# Altium PCB HORNET-1-IPG.PcbDoc (part 3 of 8) (continued)
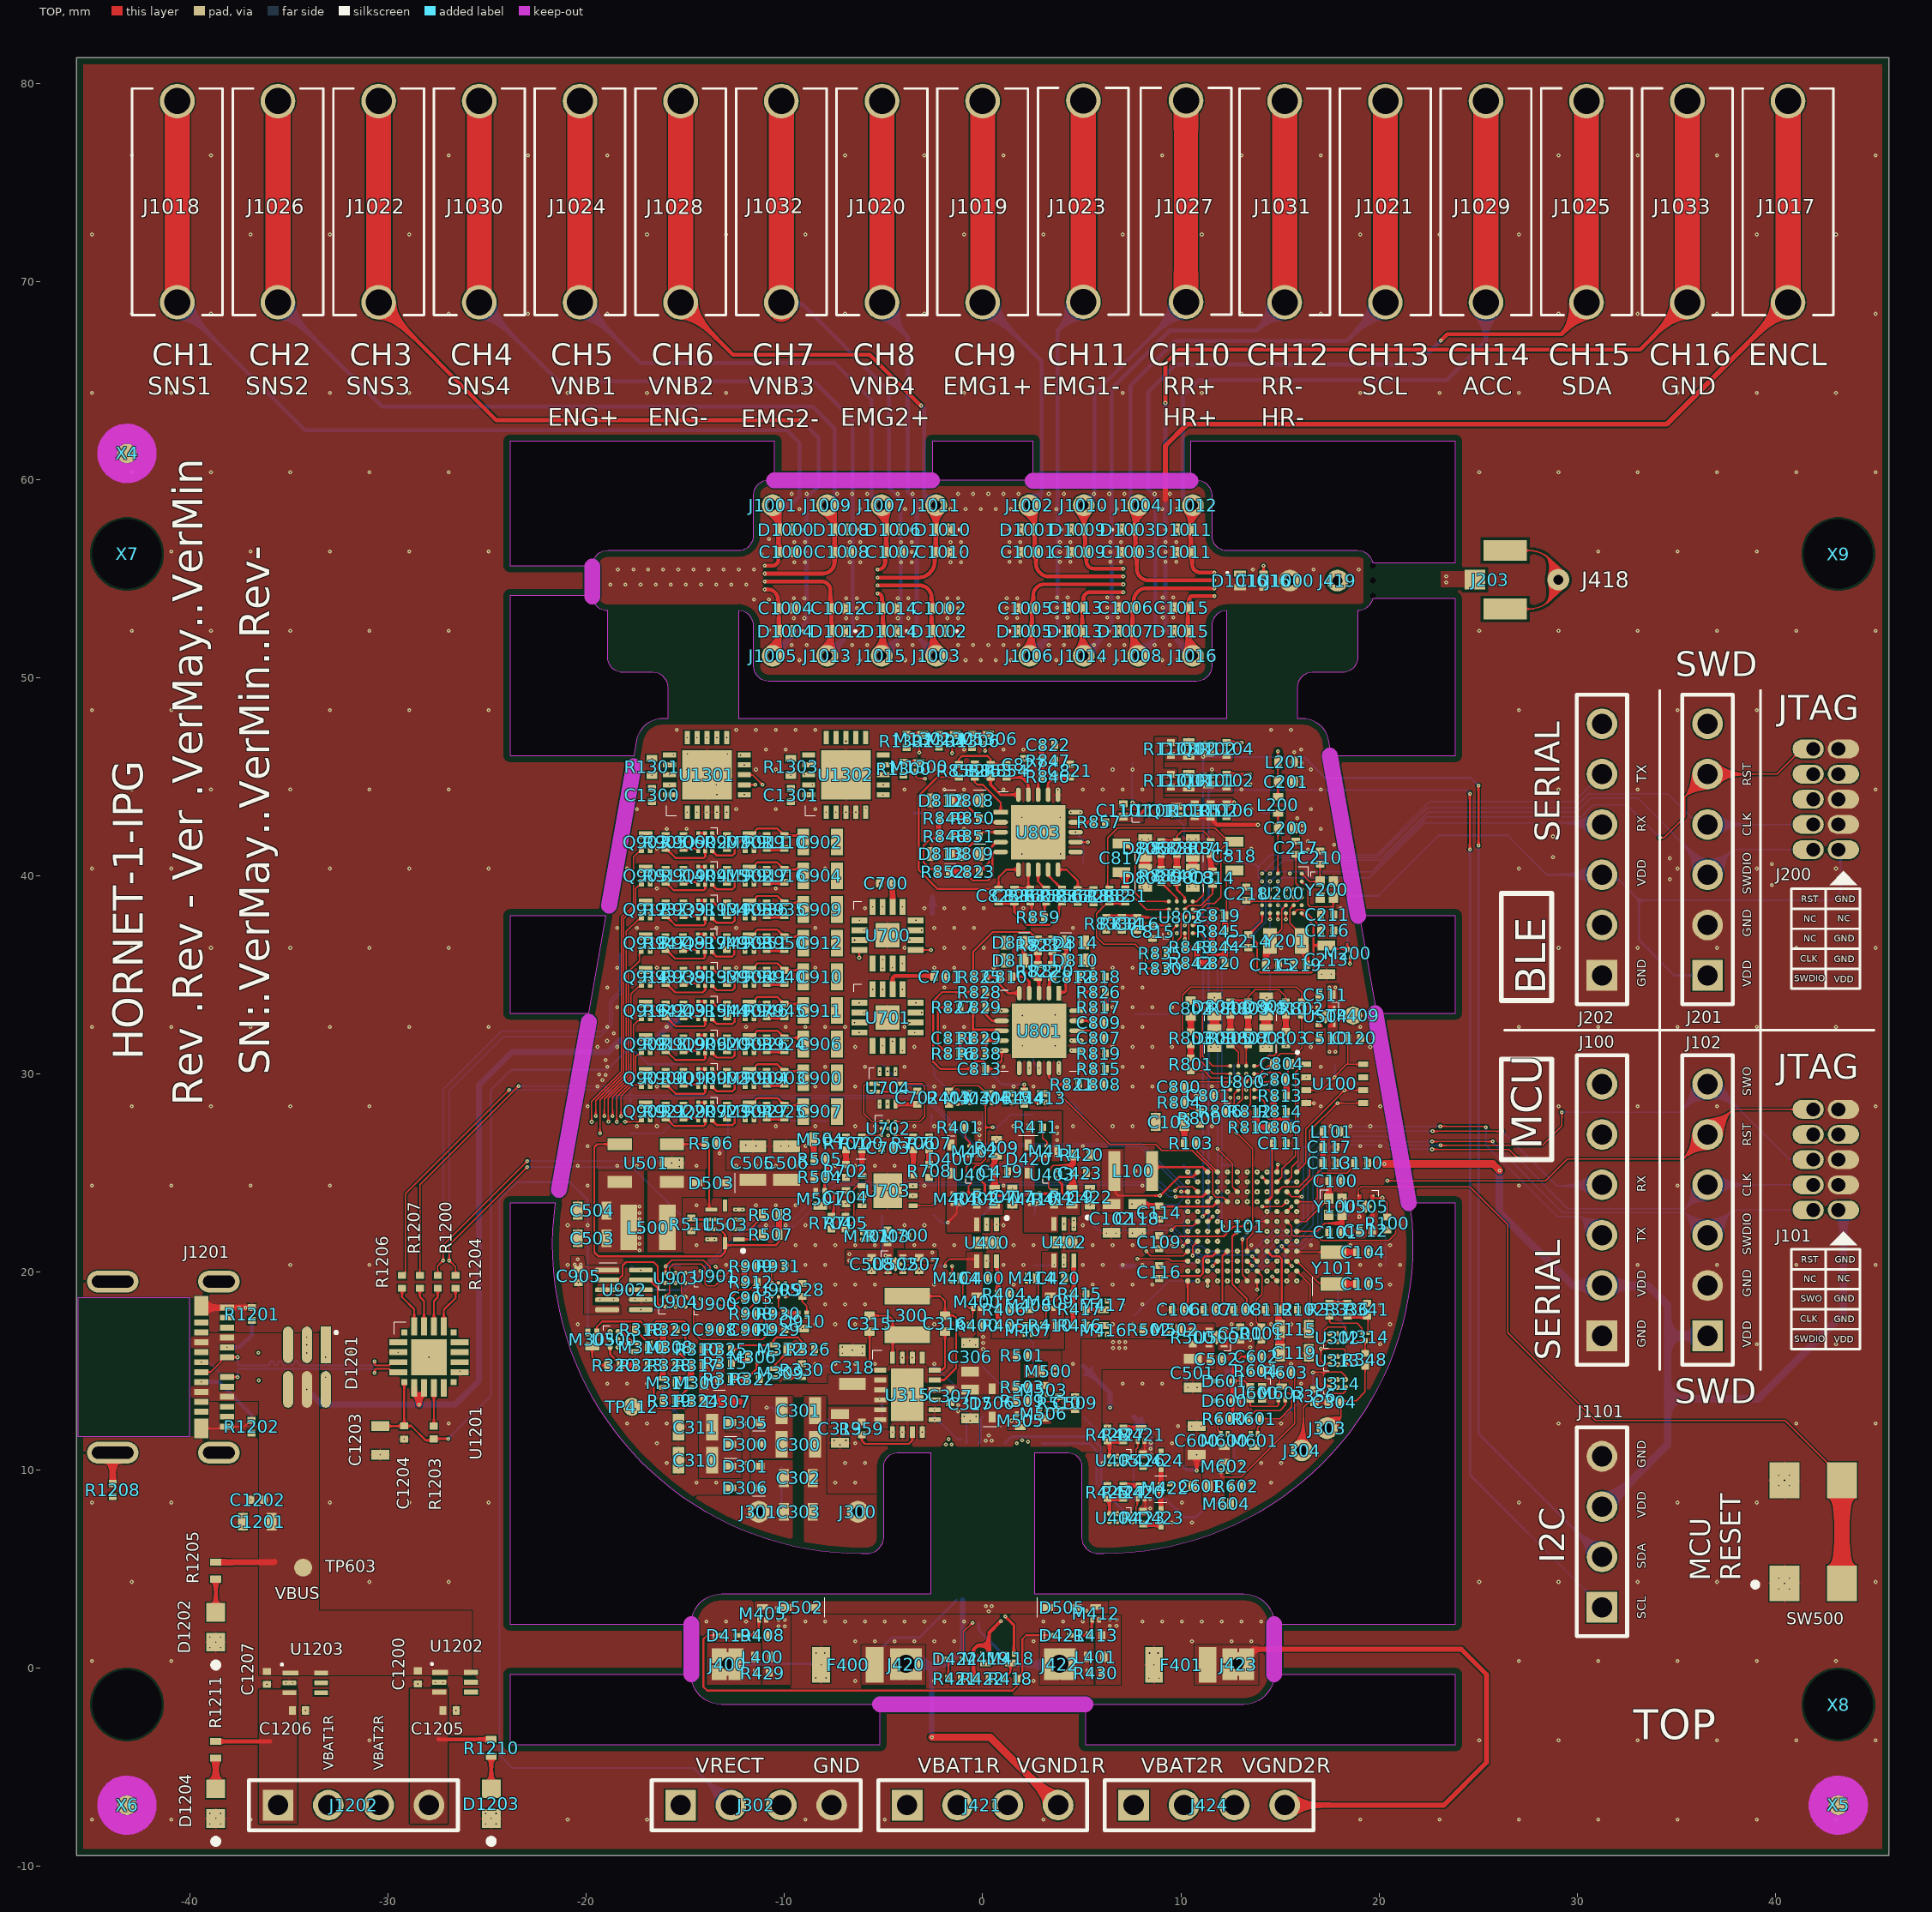
[diagram p0: TOP view]
## Part data (continued)
R816 R858: "Fixed Resistor, Metal Glaze/thick Film, 0.05W, 200000ohm, 30V, 1% +/-Tol, 200ppm/Cel, Surface Mount, 0201", Case/Package=0201, Manufacturer=Vishay, Max Operating Temperature=155°C, Medical Grade MFR=TBD, Min Operating Temperature=-55°C, Package Height=0.23mm, Package Length=0.6mm, Package Shape=Rectangular, Package Style=SMTMeter, Package Width=0.3mm, Power=50mW, Rated Temperature=70°C, Resistor Type="FIXED RESISTOR", Supplier Part Number=541-2945-1-ND, Temperature Coefficient=200ppm/°C, Tolerance=1%, Working Voltage=30V, Category="Chip SMD Resistors", ComponentLink1Description=https://datasheet.ciiva.com:443/pdfs/VipMasterIC/IC/VISH/VISH-S-A0002932828/VISH-S-A0002932828-1.pdf?src-supplier=IHS+Markit, ComponentLink1URL=https://datasheet.ciiva.com:443/pdfs/VipMasterIC/IC/VISH/VISH-S-A0002932828/VISH-S-A0002932828-1.pdf?src-supplier=IHS+Markit, ComponentLink2Description=https://datasheet.ciiva.com/7714/1719906-7714137.pdf?src-supplier=Element14, ComponentLink2URL=https://datasheet.ciiva.com/7714/1719906-7714137.pdf?src-supplier=Element14, ComponentLink3Description=https://datasheet.ciiva.com/7714/1719906-7714138.pdf?src-supplier=Element14, ComponentLink3URL=https://datasheet.ciiva.com/7714/1719906-7714138.pdf?src-supplier=Element14, ComponentLink4Description=https://datasheet.ciiva.com/2577/crcw0201e3-2577332.pdf?src-supplier=Digikey, ComponentLink4URL=https://datasheet.ciiva.com/2577/crcw0201e3-2577332.pdf?src-supplier=Digikey, ComponentLink5Description=https://datasheet.ciiva.com/8961/crcw0201e3-8961381.pdf?src-supplier=Avnet, ComponentLink5URL=https://datasheet.ciiva.com/8961/crcw0201e3-8961381.pdf?src-supplier=Avnet, ComponentLink6Description=https://datasheet.ciiva.com/22675/1700795-22675066.pdf?src-supplier=Element14, ComponentLink6URL=https://datasheet.ciiva.com/22675/1700795-22675066.pdf?src-supplier=Element14, ComponentLink7Description=https://datasheet.ciiva.com/22692/1719906-22692766.pdf?src-supplier=Element14, ComponentLink7URL=https://datasheet.ciiva.com/22692/1719906-22692766.pdf?src-supplier=Element14, Construction=Chip, JESD-609 Code=e3, Manufacturer Part Number=CRCW0201200KFNED, Medical Grade MFR PN=TBD, Mounting Technology="Surface Mount", Packaging="Tape and Reel", Pins=2, Pricing="1=0,1, 10=0,037, 50=0,0242, 100=0,0204, 500=0,01426, 1000=0,01241, 5000=0,00924 (USD)", Reach SVHC Compliant=Yes, Reference Standard=AEC-Q200, RoHS=Yes, RoHS Compliant=Yes, Stock=43796, Supplier=Digikey, Supplier 1=Digikey, Supplier Part Number 1=541-2945-1-ND, Technology="METAL GLAZE/THICK FILM", Terminal Finish=Nickel, Termination=Wraparound
R817 R826 R853 R854: "3.32 MOhms ±1% 0.05W, 1/20W Chip Resistor 0201 (0603 Metric) Thick Film", Case/Package=0201, Manufacturer="Vishay Dale", Max Operating Temperature="155 °C", Min Operating Temperature="-55 °C", Package Shape=Rectangular, Power="50 mW", Rated Temperature="70 °C", Resistor Type="FIXED RESISTOR", Supplier Part Number=541-CRCW02013M32FNEDTR-ND, Supplier Part Number 1=541-CRCW02013M32FNEDCT-ND, Temperature Coefficient=±200ppm/°C, Tolerance=1%, Category="Chip SMD Resistors", JESD-609 Code=e3, Manufacturer Part Number=CRCW02013M32FNED, Mounting Technology="Surface Mount", Packaging="Tape and Reel", Pins=2, Reach SVHC Compliant=Yes, RoHS=Yes, RoHS Compliant=Yes, Stock=3790, Supplier=Digikey, Supplier 1=Digikey, Tehnology="Metal glaze on high quality ceramic", Terminal Finish=Nickel
R818 R855: "475 kOhms ±1% 0.05W, 1/20W Chip Resistor 0201 (0603 Metric) Thick Film", Case/Package=0201, Manufacturer="Vishay Dale", Max Operating Temperature="155 °C", Min Operating Temperature="-55 °C", Package Shape=Rectangular, Power="50 mW", Rated Temperature="70 °C", Resistor Type="FIXED RESISTOR", Supplier Part Number=541-CRCW0201475KFNEDTR-ND, Supplier Part Number 1=71-CRCW0201475KFNED, Temperature Coefficient=±200ppm/°C, Tolerance=1%, Category="Chip SMD Resistors", JESD-609 Code=e3, Manufacturer Part Number=CRCW0201475KFNED, Mounting Technology="Surface Mount", Packaging="Tape and Reel", Pins=2, Reach SVHC Compliant=Yes, RoHS=Yes, RoHS Compliant=Yes, Stock=3433, Supplier=Digikey, Supplier 1=Mouser, Tehnology="Metal glaze on high quality ceramic", Terminal Finish=Nickel
R827 R859: "1.2 MOhms ±1% 0.05W, 1/20W Chip Resistor 0201 (0603 Metric) Thick Film", Case/Package=0201, Manufacturer="Vishay Dale", Max Operating Temperature=155°C, Min Operating Temperature=-55°C, Package Shape=Rectangular, Power="50 mW", Rated Temperature="70 °C", Resistor Type="FIXED RESISTOR", Supplier Part Number=541-CRCW02011M20FNEDTR-ND, Supplier Part Number 1=71-CRCW02011M20FNED, Temperature Coefficient=±200ppm/°C, Tolerance=1%, Category="Chip SMD Resistors", JESD-609 Code=e3, Manufacturer Part Number=CRCW02011M20FNED, Mounting Technology="Surface Mount", Packaging="Tape and Reel", Pins=2, Reach SVHC Compliant=Yes, RoHS=Yes, RoHS Compliant=Yes, Stock=22k, Supplier=Digikey, Supplier 1=Mouser, Tehnology="Metal glaze on high quality ceramic"
R828 R860: "3.74 kOhms ±1% 0.05W, 1/20W Chip Resistor 0201 (0603 Metric) Thick Film", Case/Package=0201, Manufacturer="Vishay Dale", Max Operating Temperature=155°C, Min Operating Temperature=-55°C, Package Shape=Rectangular, Power="50 mW", Rated Temperature="70 °C", Resistor Type="FIXED RESISTOR", Supplier Part Number=541-CRCW02013K74FNEDTR-ND, Supplier Part Number 1=541-CRCW02013K74FNEDCT-ND, Temperature Coefficient=±200ppm/°C, Tolerance=1%, Category="Chip SMD Resistors", JESD-609 Code=e3, Manufacturer Part Number=CRCW02013K74FNED, Mounting Technology="Surface Mount", Packaging="Tape and Reel", Pins=2, Reach SVHC Compliant=Yes, RoHS=Yes, RoHS Compliant=Yes, Stock=49k, Supplier=Digikey, Supplier 1=Digikey
R830 R831: "Fixed Resistor, Metal Glaze/thick Film, 0.05W, 6800000ohm, 30V, 1% +/-Tol, 200ppm/Cel, Surface Mount, 0201", Case/Package=0201, Manufacturer="Vishay Draloric", Max Operating Temperature=155°C, Medical Grade MFR=TBD, Min Operating Temperature=-55°C, Package Shape=Rectangular, Power=50mW, Rated Temperature=70°C, Resistor Type="FIXED RESISTOR", Supplier Part Number=541-CRCW02016M80FNEDCT-ND, Temperature Coefficient=200ppm/°C, Tolerance=1%, Working Voltage=30V, Category="Chip SMD Resistors", ComponentLink1Description=https://datasheet.ciiva.com:443/pdfs/VipMasterIC/IC/VISH/VISH-S-A0002932828/VISH-S-A0002932828-1.pdf?src-supplier=IHS+Markit, ComponentLink1URL=https://datasheet.ciiva.com:443/pdfs/VipMasterIC/IC/VISH/VISH-S-A0002932828/VISH-S-A0002932828-1.pdf?src-supplier=IHS+Markit, ComponentLink2Description=https://datasheet.ciiva.com/22682/1700795-22682637.pdf?src-supplier=Element14, ComponentLink2URL=https://datasheet.ciiva.com/22682/1700795-22682637.pdf?src-supplier=Element14, JESD-609 Code=e3, Manufacturer Part Number=CRCW02016M80FNED, Medical Grade MFR PN=TBD, Mounting Technology="Surface Mount", Packaging="Tape and Reel", Pins=2, Pricing="1=0,1, 10=0,037, 50=0,0242, 100=0,0204, 500=0,01426, 1000=0,01241, 5000=0,00924 (USD)", Reach SVHC Compliant=Yes, RoHS=Yes, RoHS Compliant=Yes, Stock=8955, Supplier=Digikey, Supplier 1=Digikey, Supplier Part Number 1=541-CRCW02016M80FNEDCT-ND, Technology="METAL GLAZE/THICK FILM", Terminal Finish=Nickel, Termination=Wraparound
R842 R843: "Fixed Resistor, Metal Glaze/thick Film, 0.05W, 2700000ohm, 30V, 1% +/-Tol, 200ppm/Cel, Surface Mount, 0201", Case/Package=0201, Manufacturer="Vishay Draloric", Max Operating Temperature=155°C, Medical Grade MFR=TBD, Min Operating Temperature=-55°C, Package Shape=Rectangular, Power=50mW, Rated Temperature=70°C, Resistor Type="FIXED RESISTOR", Supplier Part Number=541-CRCW02012M70FNEDCT-ND, Temperature Coefficient=200ppm/°C, Tolerance=1%, Working Voltage=30V, Category="Chip SMD Resistors", ComponentLink1Description=https://datasheet.ciiva.com:443/pdfs/VipMasterIC/IC/VISH/VISH-S-A0002932828/VISH-S-A0002932828-1.pdf?src-supplier=IHS+Markit, ComponentLink1URL=https://datasheet.ciiva.com:443/pdfs/VipMasterIC/IC/VISH/VISH-S-A0002932828/VISH-S-A0002932828-1.pdf?src-supplier=IHS+Markit, ComponentLink2Description=https://datasheet.ciiva.com/7800/1719906-7800965.pdf?src-supplier=Element14, ComponentLink2URL=https://datasheet.ciiva.com/7800/1719906-7800965.pdf?src-supplier=Element14, ComponentLink3Description=https://datasheet.ciiva.com/7800/1719906-7800966.pdf?src-supplier=Element14, ComponentLink3URL=https://datasheet.ciiva.com/7800/1719906-7800966.pdf?src-supplier=Element14, ComponentLink4Description=https://datasheet.ciiva.com/22682/1700795-22682623.pdf?src-supplier=Element14, ComponentLink4URL=https://datasheet.ciiva.com/22682/1700795-22682623.pdf?src-supplier=Element14, JESD-609 Code=e3, Manufacturer Part Number=CRCW02012M70FNED, Medical Grade MFR PN=TBD, Mounting Technology="Surface Mount", Packaging="Tape and Reel", Pins=2, Pricing="1=0,1, 10=0,037, 50=0,0242, 100=0,0204, 500=0,01426, 1000=0,01241, 5000=0,00924 (USD)", Reach SVHC Compliant=Yes, RoHS=Yes, RoHS Compliant=Yes, Stock=48006, Supplier=Digikey, Supplier 1=Digikey, Supplier Part Number 1=541-CRCW02012M70FNEDCT-ND, Technology="METAL GLAZE/THICK FILM", Terminal Finish=Nickel, Termination=Wraparound
R844: "Fixed Resistor, Metal Glaze/thick Film, 0.05W, 249000ohm, 30V, 1% +/-Tol, 200ppm/Cel, Surface Mount, 0201", Case/Package=0201, Manufacturer=Vishay, Max Operating Temperature=155°C, Medical Grade MFR=Mini-Systems, Medical Grade MFR PN=MWA96SM-2493F-NS62TR, Min Operating Temperature=-55°C, Package Height=0.23mm, Package Length=0.6mm, Package Shape=Rectangular, Package Style=SMTMeter, Package Width=0.3mm, Power=50mW, Rated Temperature=70°C, Resistor Type="FIXED RESISTOR", Supplier Part Number=541-CRCW0201249KFNEDCT-ND, Temperature Coefficient=200ppm/°C, Tolerance=1%, Working Voltage=30V, Category="Chip SMD Resistors", ComponentLink1Description=https://datasheet.ciiva.com:443/pdfs/VipMasterIC/IC/VISH/VISH-S-A0002932828/VISH-S-A0002932828-1.pdf?src-supplier=IHS+Markit, ComponentLink1URL=https://datasheet.ciiva.com:443/pdfs/VipMasterIC/IC/VISH/VISH-S-A0002932828/VISH-S-A0002932828-1.pdf?src-supplier=IHS+Markit, ComponentLink2Description=https://datasheet.ciiva.com/8953/crcw0201e3-8953881.pdf?src-supplier=Avnet, ComponentLink2URL=https://datasheet.ciiva.com/8953/crcw0201e3-8953881.pdf?src-supplier=Avnet, Construction=Chip, JESD-609 Code=e3, Manufacturer Part Number=CRCW0201249KFNED, Mounting Technology="Surface Mount", Packaging="Tape and Reel", Pins=2, Pricing="1=0,1, 10=0,037, 50=0,0242, 100=0,0204, 500=0,01426, 1000=0,01241, 5000=0,00924 (USD)", Reach SVHC Compliant=Yes, Reference Standard=AEC-Q200, RoHS=Yes, RoHS Compliant=Yes, Stock=82297, Supplier=Digikey, Supplier 1=Digikey, Supplier Part Number 1=541-CRCW0201249KFNEDCT-ND, Technology="METAL GLAZE/THICK FILM", Terminal Finish=Nickel, Termination=Wraparound
R901 R906 R914 R919 R922 R933 R938 R943 R948 R1200 R1203 R1204 R1206 R1207: "Fixed Resistor, Metal Glaze/thick Film, 0.05W, 1000ohm, 30V, 1% +/-Tol, 200ppm/Cel, Surface Mount, 0201", Case/Package=0201, Manufacturer=Vishay, Max Operating Temperature=155°C, Medical Grade MFR=Mini-Systems, Medical Grade MFR PN=MWA96SM-1001F-NS62TR, Min Operating Temperature=-55°C, Package Height=0.23mm, Package Length=0.6mm, Package Shape=Rectangular, Package Style=SMTMeter, Package Width=0.3mm, Power=50mW, Rated Temperature=70°C, Resistor Type="FIXED RESISTOR", Supplier Part Number=541-1.00KABCT-ND, Temperature Coefficient=200ppm/°C, Tolerance=1%, Working Voltage=30V, Category="Chip SMD Resistors", ComponentLink1Description=https://datasheet.ciiva.com:443/pdfs/VipMasterIC/IC/VISH/VISH-S-A0002932828/VISH-S-A0002932828-1.pdf?src-supplier=IHS+Markit, ComponentLink1URL=https://datasheet.ciiva.com:443/pdfs/VipMasterIC/IC/VISH/VISH-S-A0002932828/VISH-S-A0002932828-1.pdf?src-supplier=IHS+Markit, ComponentLink2Description=https://datasheet.ciiva.com/7983/1719906-7983324.pdf?src-supplier=Element14, ComponentLink2URL=https://datasheet.ciiva.com/7983/1719906-7983324.pdf?src-supplier=Element14, ComponentLink3Description=https://datasheet.ciiva.com/7983/1719906-7983323.pdf?src-supplier=Element14, ComponentLink3URL=https://datasheet.ciiva.com/7983/1719906-7983323.pdf?src-supplier=Element14, ComponentLink4Description=https://datasheet.ciiva.com/22692/1719906-22692751.pdf?src-supplier=Element14, ComponentLink4URL=https://datasheet.ciiva.com/22692/1719906-22692751.pdf?src-supplier=Element14, ComponentLink5Description=https://datasheet.ciiva.com/22665/1825492-22665818.pdf?src-supplier=Element14, ComponentLink5URL=https://datasheet.ciiva.com/22665/1825492-22665818.pdf?src-supplier=Element14, ComponentLink6Description=https://datasheet.ciiva.com/2474/crcw0201e3-2474801.pdf?src-supplier=Digikey, ComponentLink6URL=https://datasheet.ciiva.com/2474/crcw0201e3-2474801.pdf?src-supplier=Digikey, ComponentLink7Description=https://datasheet.ciiva.com/2474/crcw0201e3-2474802.pdf?src-supplier=Digikey, ComponentLink7URL=https://datasheet.ciiva.com/2474/crcw0201e3-2474802.pdf?src-supplier=Digikey, ComponentLink8Description=https://datasheet.ciiva.com/2474/crcw0201e3-2474800.pdf?src-supplier=Digikey, ComponentLink8URL=https://datasheet.ciiva.com/2474/crcw0201e3-2474800.pdf?src-supplier=Digikey, ComponentLink9Description=https://datasheet.ciiva.com/22871/70202042-22871422.pdf?src-supplier=Allied+Electronics, ComponentLink9URL=https://datasheet.ciiva.com/22871/70202042-22871422.pdf?src-supplier=Allied+Electronics, ComponentLink10Description=https://datasheet.ciiva.com/3255/crcw0201e3-3255929.pdf?src-supplier=Avnet, ComponentLink10URL=https://datasheet.ciiva.com/3255/crcw0201e3-3255929.pdf?src-supplier=Avnet, Construction=Chip, JESD-609 Code=e3, Manufacturer Part Number=CRCW02011K00FNED, Mounting Technology="Surface Mount", Packaging="Tape and Reel", Pins=2, Pricing="1=0,1, 10=0,037, 50=0,0242, 100=0,0204, 500=0,01426, 1000=0,01241, 5000=0,00924 (USD)", Reach SVHC Compliant=Yes, Reference Standard=AEC-Q200, RoHS=Yes, RoHS Compliant=Yes, Stock=303224, Supplier=Digikey, Supplier 1="Arrow Electronics", Supplier Part Number 1=CRCW02011K00FNED, Technology="METAL GLAZE/THICK FILM", Terminal Finish=Nickel, Termination=Wraparound
R902 R907 R915 R920 R923 R934 R939 R944 R949: "Fixed Resistor, Metal Glaze/thick Film, 0.05W, 150ohm, 30V, 1% +/-Tol, 200ppm/Cel, Surface Mount, 0201", Case/Package=0201, Manufacturer=Vishay, Max Operating Temperature=155°C, Medical Grade MFR=Mini-Systems, Medical Grade MFR PN=MWA96SM-1500F-NS62TR, Min Operating Temperature=-55°C, Package Height=0.23mm, Package Length=0.6mm, Package Shape=Rectangular, Package Style=SMTMeter, Package Width=0.3mm, Power=50mW, Rated Temperature=70°C, Resistor Type="FIXED RESISTOR", Supplier Part Number=541-CRCW0201150RFNEDCT-ND, Temperature Coefficient=200ppm/°C, Tolerance=1%, Working Voltage=30V, Category="Chip SMD Resistors", ComponentLink1Description=https://datasheet.ciiva.com:443/pdfs/VipMasterIC/IC/VISH/VISH-S-A0002932828/VISH-S-A0002932828-1.pdf?src-supplier=IHS+Markit, ComponentLink1URL=https://datasheet.ciiva.com:443/pdfs/VipMasterIC/IC/VISH/VISH-S-A0002932828/VISH-S-A0002932828-1.pdf?src-supplier=IHS+Markit, ComponentLink2Description=https://datasheet.ciiva.com/2577/crcw0201e3-2577126.pdf?src-supplier=Digikey, ComponentLink2URL=https://datasheet.ciiva.com/2577/crcw0201e3-2577126.pdf?src-supplier=Digikey, ComponentLink3Description=https://datasheet.ciiva.com/8969/crcw0201e3-8969797.pdf?src-supplier=Avnet, ComponentLink3URL=https://datasheet.ciiva.com/8969/crcw0201e3-8969797.pdf?src-supplier=Avnet, ComponentLink4Description=https://datasheet.ciiva.com/7777/1719906-7777159.pdf?src-supplier=Element14, ComponentLink4URL=https://datasheet.ciiva.com/7777/1719906-7777159.pdf?src-supplier=Element14, ComponentLink5Description=https://datasheet.ciiva.com/7777/1719906-7777160.pdf?src-supplier=Element14, ComponentLink5URL=https://datasheet.ciiva.com/7777/1719906-7777160.pdf?src-supplier=Element14, Construction=Chip, JESD-609 Code=e3, Manufacturer Part Number=CRCW0201150RFNED, Mounting Technology="Surface Mount", Packaging="Tape and Reel", Pins=2, Pricing="1=0,1, 10=0,037, 50=0,0242, 100=0,0204, 500=0,01426, 1000=0,01241, 5000=0,00924 (USD)", Reach SVHC Compliant=Yes, Reference Standard=AEC-Q200, RoHS=Yes, RoHS Compliant=Yes, Stock=19000, Supplier=Digikey, Supplier 1=Digikey, Supplier Part Number 1=541-CRCW0201150RFNEDCT-ND, Technology="METAL GLAZE/THICK FILM", Terminal Finish=Nickel, Termination=Wraparound
R904 R911 R917 R926 R927 R936 R941 R946 R951: "Fixed Resistor, Metal Glaze/thick Film, 0.05W, 2000000ohm, 30V, 1% +/-Tol, 200ppm/Cel, Surface Mount, 0201", Case/Package=0201, Manufacturer="Vishay Draloric", Max Operating Temperature=155°C, Medical Grade MFR=Mini-Systems, Medical Grade MFR PN=MWA96SM-2004F-NS62TR, Min Operating Temperature=-55°C, Package Shape=Rectangular, Power=50mW, Rated Temperature=70°C, Resistor Type="FIXED RESISTOR", Supplier Part Number=541-CRCW02012M00FNEDCT-ND, Temperature Coefficient=200ppm/°C, Tolerance=1%, Working Voltage=30V, Category="Chip SMD Resistors", ComponentLink1Description=https://datasheet.ciiva.com:443/pdfs/VipMasterIC/IC/VISH/VISH-S-A0002932828/VISH-S-A0002932828-1.pdf?src-supplier=IHS+Markit, ComponentLink1URL=https://datasheet.ciiva.com:443/pdfs/VipMasterIC/IC/VISH/VISH-S-A0002932828/VISH-S-A0002932828-1.pdf?src-supplier=IHS+Markit, ComponentLink2Description=https://datasheet.ciiva.com/7800/1719906-7800936.pdf?src-supplier=Element14, ComponentLink2URL=https://datasheet.ciiva.com/7800/1719906-7800936.pdf?src-supplier=Element14, ComponentLink3Description=https://datasheet.ciiva.com/7800/1719906-7800935.pdf?src-supplier=Element14, ComponentLink3URL=https://datasheet.ciiva.com/7800/1719906-7800935.pdf?src-supplier=Element14, ComponentLink4Description=https://datasheet.ciiva.com/22675/1700795-22675402.pdf?src-supplier=Element14, ComponentLink4URL=https://datasheet.ciiva.com/22675/1700795-22675402.pdf?src-supplier=Element14, ComponentLink5Description=https://datasheet.ciiva.com/29926/crcw0201e3-29926056.pdf?src-supplier=Avnet, ComponentLink5URL=https://datasheet.ciiva.com/29926/crcw0201e3-29926056.pdf?src-supplier=Avnet, JESD-609 Code=e3, Manufacturer Part Number=CRCW02012M00FNED, Mounting Technology="Surface Mount", Packaging="Tape and Reel", Pins=2, Pricing="1=0,1, 10=0,037, 50=0,0242, 100=0,0204, 500=0,01426, 1000=0,01241, 5000=0,00924 (USD)", Reach SVHC Compliant=Yes, RoHS=Yes, RoHS Compliant=Yes, Stock=78038, Supplier=Digikey, Supplier 1=Digikey, Supplier Part Number 1=541-CRCW02012M00FNEDCT-ND, Technology="METAL GLAZE/THICK FILM", Terminal Finish=Nickel, Termination=Wraparound
R930: "Fixed Resistor, Metal Glaze/thick Film, 0.05W, 2800ohm, 30V, 1% +/-Tol, 200ppm/Cel, Surface Mount, 0201", Case/Package=0201, Manufacturer=Vishay, Max Operating Temperature=155°C, Medical Grade MFR=Mini-Systems, Medical Grade MFR PN=MWA96SM-2801F-NS62TR, Min Operating Temperature=-55°C, Package Height=0.23mm, Package Length=0.6mm, Package Shape=Rectangular, Package Style=SMTMeter, Package Width=0.3mm, Power=50mW, Rated Temperature=70°C, Resistor Type="FIXED RESISTOR", Supplier Part Number=541-CRCW02012K80FNEDCT-ND, Temperature Coefficient=200ppm/°C, Tolerance=1%, Working Voltage=30V, Category="Chip SMD Resistors", ComponentLink1Description=https://datasheet.ciiva.com:443/pdfs/VipMasterIC/IC/VISH/VISH-S-A0002932828/VISH-S-A0002932828-1.pdf?src-supplier=IHS+Markit, ComponentLink1URL=https://datasheet.ciiva.com:443/pdfs/VipMasterIC/IC/VISH/VISH-S-A0002932828/VISH-S-A0002932828-1.pdf?src-supplier=IHS+Markit, ComponentLink2Description=https://datasheet.ciiva.com/5915/1719906-5915662.pdf?src-supplier=Farnell, ComponentLink2URL=https://datasheet.ciiva.com/5915/1719906-5915662.pdf?src-supplier=Farnell, ComponentLink3Description=https://datasheet.ciiva.com/5915/1719906-5915663.pdf?src-supplier=Farnell, ComponentLink3URL=https://datasheet.ciiva.com/5915/1719906-5915663.pdf?src-supplier=Farnell, ComponentLink4Description=https://datasheet.ciiva.com/7690/1719906-7690602.pdf?src-supplier=Element14, ComponentLink4URL=https://datasheet.ciiva.com/7690/1719906-7690602.pdf?src-supplier=Element14, ComponentLink5Description=https://datasheet.ciiva.com/7690/1719906-7690603.pdf?src-supplier=Element14, ComponentLink5URL=https://datasheet.ciiva.com/7690/1719906-7690603.pdf?src-supplier=Element14, ComponentLink6Description=https://datasheet.ciiva.com/22700/1719906-22700665.pdf?src-supplier=Element14, ComponentLink6URL=https://datasheet.ciiva.com/22700/1719906-22700665.pdf?src-supplier=Element14, Construction=Chip, JESD-609 Code=e3, Manufacturer Part Number=CRCW02012K80FNED, Mounting Technology="Surface Mount", Packaging="Tape and Reel", Pins=2, Pricing="1=0,1, 10=0,037, 50=0,0242, 100=0,0204, 500=0,01426, 1000=0,01241, 5000=0,00924 (USD)", Reach SVHC Compliant=Yes, Reference Standard=AEC-Q200, RoHS=Yes, RoHS Compliant=Yes, Stock=8141, Supplier=Digikey, Supplier 1=Digikey, Supplier Part Number 1=541-CRCW02012K80FNEDCT-ND, Technology="METAL GLAZE/THICK FILM", Terminal Finish=Nickel, Termination=Wraparound
R1102 R1104 R1105: "Fixed Resistor, Metal Glaze/thick Film, 0.05W, 6800ohm, 30V, 1% +/-Tol, 200ppm/Cel, Surface Mount, 0201", Case/Package=0201, Manufacturer=Vishay, Max Operating Temperature=155°C, Medical Grade MFR=Mini-Systems, Medical Grade MFR PN=MWA96SM-6801F-NS62TR, Min Operating Temperature=-55°C, Package Height=0.23mm, Package Length=0.6mm, Package Shape=Rectangular, Package Style=SMTMeter, Package Width=0.3mm, Power=50mW, Rated Temperature=70°C, Resistor Type="FIXED RESISTOR", Supplier Part Number=541-CRCW02016K80FNEDCT-ND, Temperature Coefficient=200ppm/°C, Tolerance=1%, Working Voltage=30V, Category="Chip SMD Resistors", ComponentLink1Description=https://datasheet.ciiva.com:443/pdfs/VipMasterIC/IC/VISH/VISH-S-A0002932828/VISH-S-A0002932828-1.pdf?src-supplier=IHS+Markit, ComponentLink1URL=https://datasheet.ciiva.com:443/pdfs/VipMasterIC/IC/VISH/VISH-S-A0002932828/VISH-S-A0002932828-1.pdf?src-supplier=IHS+Markit, ComponentLink2Description=https://datasheet.ciiva.com/2577/crcw0201e3-2577241.pdf?src-supplier=Digikey, ComponentLink2URL=https://datasheet.ciiva.com/2577/crcw0201e3-2577241.pdf?src-supplier=Digikey, ComponentLink3Description=https://datasheet.ciiva.com/9060/crcw0201e3-9060860.pdf?src-supplier=Avnet, ComponentLink3URL=https://datasheet.ciiva.com/9060/crcw0201e3-9060860.pdf?src-supplier=Avnet, ComponentLink4Description=https://datasheet.ciiva.com/22674/1700795-22674684.pdf?src-supplier=Element14, ComponentLink4URL=https://datasheet.ciiva.com/22674/1700795-22674684.pdf?src-supplier=Element14, ComponentLink5Description=https://datasheet.ciiva.com/22700/1719906-22700351.pdf?src-supplier=Element14, ComponentLink5URL=https://datasheet.ciiva.com/22700/1719906-22700351.pdf?src-supplier=Element14, ComponentLink6Description=https://datasheet.ciiva.com/7672/1719906-7672744.pdf?src-supplier=Element14, ComponentLink6URL=https://datasheet.ciiva.com/7672/1719906-7672744.pdf?src-supplier=Element14, ComponentLink7Description=https://datasheet.ciiva.com/7672/1719906-7672745.pdf?src-supplier=Element14, ComponentLink7URL=https://datasheet.ciiva.com/7672/1719906-7672745.pdf?src-supplier=Element14, Construction=Chip, JESD-609 Code=e3, Manufacturer Part Number=CRCW02016K80FNED, Mounting Technology="Surface Mount", Packaging="Tape and Reel", Pins=2, Pricing="1=0,1, 10=0,037, 50=0,0242, 100=0,0204, 500=0,01426, 1000=0,01241, 5000=0,00924 (USD)", Reach SVHC Compliant=Yes, Reference Standard=AEC-Q200, RoHS=Yes, RoHS Compliant=Yes, Stock=40938, Supplier=Digikey, Supplier 1=Digikey, Supplier Part Number 1=541-CRCW02016K80FNEDCT-ND, Technology="METAL GLAZE/THICK FILM", Terminal Finish=Nickel, Termination=Wraparound
R1201 R1202: "Fixed Resistor, Metal Glaze/thick Film, 0.05W, 5110ohm, 30V, 1% +/-Tol, 200ppm/Cel, Surface Mount, 0201", Case/Package=0201, Manufacturer=Vishay, Max Operating Temperature=155°C, Medical Grade MFR=Mini-Systems, Medical Grade MFR PN=MWA96SM-5111F-NS62TR, Min Operating Temperature=-55°C, Package Height=0.23mm, Package Length=0.6mm, Package Shape=Rectangular, Package Style=SMTMeter, Package Width=0.3mm, Power=50mW, Rated Temperature=70°C, Resistor Type="FIXED RESISTOR", Supplier Part Number=541-CRCW02015K11FNEDCT-ND, Temperature Coefficient=200ppm/°C, Tolerance=1%, Working Voltage=30V, Category="Chip SMD Resistors", ComponentLink1Description=https://datasheet.ciiva.com:443/pdfs/VipMasterIC/IC/VISH/VISH-S-A0002932828/VISH-S-A0002932828-1.pdf?src-supplier=IHS+Markit, ComponentLink1URL=https://datasheet.ciiva.com:443/pdfs/VipMasterIC/IC/VISH/VISH-S-A0002932828/VISH-S-A0002932828-1.pdf?src-supplier=IHS+Markit, ComponentLink2Description=https://datasheet.ciiva.com/2577/crcw0201e3-2577232.pdf?src-supplier=Digikey, ComponentLink2URL=https://datasheet.ciiva.com/2577/crcw0201e3-2577232.pdf?src-supplier=Digikey, ComponentLink3Description=https://datasheet.ciiva.com/9067/crcw0201e3-9067501.pdf?src-supplier=Avnet, ComponentLink3URL=https://datasheet.ciiva.com/9067/crcw0201e3-9067501.pdf?src-supplier=Avnet, ComponentLink4Description=https://datasheet.ciiva.com/22707/1719906-22707711.pdf?src-supplier=Element14, ComponentLink4URL=https://datasheet.ciiva.com/22707/1719906-22707711.pdf?src-supplier=Element14, ComponentLink5Description=https://datasheet.ciiva.com/7690/1719906-7690629.pdf?src-supplier=Element14, ComponentLink5URL=https://datasheet.ciiva.com/7690/1719906-7690629.pdf?src-supplier=Element14, Construction=Chip, JESD-609 Code=e3, Manufacturer Part Number=CRCW02015K11FNED, Mounting Technology="Surface Mount", Packaging="Tape and Reel", Pins=2, Pricing="1=0,1, 10=0,037, 50=0,0242, 100=0,0204, 500=0,01426, 1000=0,01241, 5000=0,00924 (USD)", Reach SVHC Compliant=Yes, Reference Standard=AEC-Q200, RoHS=Yes, RoHS Compliant=Yes, Stock=23740, Supplier=Digikey, Supplier 1=Digikey, Supplier Part Number 1=541-CRCW02015K11FNEDCT-ND, Technology="METAL GLAZE/THICK FILM", Terminal Finish=Nickel, Termination=Wraparound
R1205 R1210 R1211: "Resistor 200 1%, 0402, Non Implant-grade", Manufacturer=Vishay, Medical Grade Manufacturer=None, Power="200 mW", Supplier Part Number=TBD, Supplier Part Number 1=71-CRCW0402200RFKEDH, Temperature Coefficient="100 ppm/°C", Tolerance=1%, Voltage Rating=50V, Category=Resistor, Height=0.3mm, Length=1mm, Manufacturer Part Number=CRCW0402200RFKEDHP, Medical Grade Manufacturer Part Number=None, Size Code=0402, Supplier=TBD, Supplier 1=Mouser, Supplier 2=Digikey, Supplier 3=Digikey, Supplier 4=Digikey, Supplier Part Number 2=541-200YCT-ND, Supplier Part Number 3=541-200YDKR-ND, Supplier Part Number 4=541-200YTR-ND, Width=0.5mm
R1301 R1303: "Fixed Resistor, Metal Glaze/thick Film, 0.2W, 499ohm, 50V, 1% +/-Tol, 100ppm/Cel, Surface Mount, 0402", Case/Package=0402, Manufacturer="Vishay Dale", Manufacturer Series=CRCW-HPE3, Max Operating Temperature=155°C, Medical Grade MFR=TBD, Min Operating Temperature=-55°C, Package Height=0.3mm, Package Length=1mm, Package Shape=Rectangular, Package Style=SMTMeter, Package Width=0.5mm, Power=200mW, Rated Temperature=70°C, Resistor Type="FIXED RESISTOR", Supplier Part Number=541-499YCT-ND, Supplier Part Number 1=71-CRCW0402499RFKEDH, Temperature Coefficient=100ppm/°C, Tolerance=1%, Working Voltage=50V, Category="Chip SMD Resistors", ComponentLink1Description=https://datasheet.ciiva.com:443/pdfs/VipMasterIC/IC/VISH/VISH-S-A0009391795/VISH-S-A0009391795-1.pdf?src-supplier=IHS+Markit, ComponentLink1URL=https://datasheet.ciiva.com:443/pdfs/VipMasterIC/IC/VISH/VISH-S-A0009391795/VISH-S-A0009391795-1.pdf?src-supplier=IHS+Markit, ComponentLink2Description=https://datasheet.ciiva.com/5540/crcwhpe3-46056-5540816.pdf?src-supplier=Mouser, ComponentLink2URL=https://datasheet.ciiva.com/5540/crcwhpe3-46056-5540816.pdf?src-supplier=Mouser, ComponentLink3Description=https://datasheet.ciiva.com/8932/crcwhpe3-8932421.pdf?src-supplier=Avnet, ComponentLink3URL=https://datasheet.ciiva.com/8932/crcwhpe3-8932421.pdf?src-supplier=Avnet, Construction=Chip, JESD-609 Code=e3, Manufacturer Part Number=CRCW0402499RFKEDHP, Medical Grade MFR PN=TBD, Mounting Technology="Surface Mount", Packaging="Tape and Reel", Pins=2, Pricing="1=0.13, 10=0.061, 50=0.0402, 100=0.0341, 500=0.024, 1000=0.02091, 5000=0.01572 (USD)", Reach SVHC Compliant=Yes, Reference Standard=AEC-Q200, RoHS=Yes, RoHS Compliant=Yes, Series="CRCW-HP E3", Stock=50100, Supplier=Digikey, Supplier 1=Mouser, Technology="METAL GLAZE/THICK FILM", Terminal Finish=Nickel, Termination=Wraparound
SW500: library part PTS647SN50SMTR2LFS, "Pushbutton, NO-MOM, 12V, 0.05A, SMT", Manufacturer=C&K, Package Description=SMT, Rating=12V,0.05A, Supplier Part Number 1=PTS647SN50SMTR2LFSCT-ND, Category=Pushbutton, Length (mm)="6.5 ±0.20", Manufacturer Part Number=PTS647SN50SMTR2LFS, Supplier 1=Digi-Key, Thickness (mm)="1.55 ±0.15", Width (mm)=4.5
TP100 TP101 TP104 TP105 TP106 TP108 TP200 TP201 TP202 TP203 TP204 TP205 TP300 TP302 TP308 TP309 TP310 TP311 TP312 TP313 TP314 TP316 TP319 TP320 TP321 TP400 TP401 TP402 TP403 TP404 TP405 TP406 TP407 TP408 TP409 TP410 TP411 TP412 TP413 TP414 TP415 TP416 TP417 TP418 TP419 TP420 TP421 TP422 TP423 TP424 TP425 TP426 TP427 TP428 TP429 TP430 TP431 TP432 TP433 TP434 TP435 TP500 TP501 TP502 TP503 TP504 TP505 TP506 TP508 TP509 TP510 TP512 TP513 TP514 TP600 TP601 TP602 TP603 TP604 TP700 TP701 TP702 TP703 TP800 TP801 TP802 TP803 TP804 TP805 TP900 TP901 TP902 TP1101 TP1103 TP1200 TP1201 TP1202 TP1203 TP1205 TP1206: "Test pad, 0.90mm circular pad", Manufacturer=N/A, Category="Test point", Length (mm)=0.90, Manufacturer PN=N/A, Medical Grade MFR=N/A, Medical Grade MFR PN=N/A, PCB Footprint=testpad_0p90mm, Rating=N/A, Thickness (mm)=N/A, Width (mm)=0.90
U100: "FRAM, 8 Mbit (1024k x 8), SPI, 1.8-3.6V, QFN-8", Manufacturer="Cypress Semiconductor", Medical Grade MFR=TBD, Rating=3.6V, Category=IC, Length (mm)="3.28 ±0.05", Manufacturer Part Number=CY15B108QN-20LPXC, Medical Grade MFR PN=TBD, Package Description=TBD, PCB Footprint=TBD, Supplier 1=Heisener, Supplier Part Number 1=CY15B108QN-20LPXC, Thickness (mm)="0.50 ±0.05", Width (mm)="3.23 ±0.05"
U101: "Microcontroller, ARM Cortex-M33, 2.0 MB Flash, 786 kB RAM, BGA-132 pins with dedicated pinout supporting SMPS step-down converter", Manufacturer=STMicro, Medical Grade MFR=TBD, Supplier Part Number 1=511-STM32U585QII6Q, Category=IC, Length (mm)="7.00 ±0.15", Manufacturer Part Number=STM32U585QII6Q, Medical Grade MFR PN=TBD, Package Description=TBD, PCB Footprint=TBD, Rating=TBD, Supplier 1=Mouser, Thickness (mm)=0.60, Width (mm)="7.00 ±0.15"
U200: "Bluetooth radio, v5.0, 192 kB Flash, 24 kB RAM, BGA-33", Manufacturer=Nordic, Medical Grade MFR=TBD, Supplier Part Number 1=4823-NRF52810-CAAA-E-R7CT-ND, Category=IC, Length (mm)=2.48, Manufacturer Part Number=NRF52810-CAAA-E-R7, Medical Grade MFR PN=TBD, Package Description=TBD, PCB Footprint=TBD, Rating=TBD, Supplier 1=DigiKey, Thickness (mm)="0.48 ±0.06", Width (mm)=2.46
U300 U302 U313 U314 U404 U405: "Op Amp, Rail-to-Rail, 95kHz, WLCSP-6", Manufacturer="Analog Devices", Medical Grade MFR=TBD, Rating=5.5V, Supplier Part Number 1=AD8505ACBZ-R7CT-ND, Category=IC, Length (mm)="1.39 ±0.04", Manufacturer Part Number=AD8505ACBZ-R7, Medical Grade MFR PN=TBD, Package Description=TBD, PCB Footprint=TBD, Supplier 1=Digi-Key, Thickness (mm)="0.56 ±0.05", Width (mm)="0.90 ±0.04"
U315: "Buck-Boost Converter, Selectable Voltage, QFN-20", Manufacturer="Analog Devices", Medical Grade MFR=TBD, Rating=25V, Supplier Part Number 1=LTC3130IUDC-1#PBF-ND, Category=IC, Length (mm)="4.00 ±0.10", Manufacturer Part Number=LTC3130IUDC-1#PBF, Medical Grade MFR PN=TBD, PackageDescription=TBD, PCB Footprint=TBD, Supplier 1=Digi-Key, Thickness (mm)="0.75 ±0.05", Width (mm)="3.00 ±0.10"
U400 U402: "Charge Controller, 4.2V, 250mA, DFN-6", Alt Manufacturer=-, Manufacturer="Linear Technology", Medical Grade MFR=TBD, Rating=250mA, Supplier Part Number 1=505-LTC4065LEDC#TRPBFCT-ND, Alt Manufacturer PN=-, Category=IC, Datasheet=https://datasheet.ciiva.com/pdfs/VipMasterIC/IC/ANDI/ANDI-S-A0006647666/ANDI-S-A0006647666-1.pdf?src-supplier=IHS+Markit, Length (mm)="2.00 ±0.10", Manufacturer Part Number=LTC4065LEDC#TRPBF, Medical Grade MFR PN=TBD, PCB Footprint=TBD, Supplier 1=Digi-Key, Supplier Link=https://www.analog.com/en/products/ltc4065l.html, Thickness (mm)="0.75 ±0.05", Width (mm)="2.00 ±0.10"
U401 U403: "Comparator, 1.2V Reference, Open-drain, BGA-4", Manufacturer="Texas Instruments", Medical Grade MFR=TBD, Supplier Part Number 1=296-TLV4021R1YKARCT-ND, Category=IC, Length (mm)="0.73 ±0.03", Manufacturer Part Number=TLV4021R1YKAR, Medical Grade MFR PN=TBD, Package Description=TBD, PCB Footprint=TBD, Rating=TBD, Supplier 1=Digi-Key, Thickness (mm)=0.40
U500 U502 U504: "LDO Regulator, 3.3V, Shutdown, DFN1010-4", Manufacturer="Diodes Inc", Medical Grade MFR=TBD, Rating=3.3V, Supplier Part Number 1=AP7354D-33FS4-7DICT-ND, Category=IC, Length (mm)="1.00 ±0.05", Manufacturer Part Number=AP7354D-33FS4-7, Medical Grade MFR PN=TBD, Package Description=TBD, PCB Footprint=TBD, Supplier 1=Digi-Key, Supplier Link=https://octopart.com/search?q=AP7354D-33FS4-7&filter%5Bfields%5D%5Bbrand.name%5D%5B%5D=Diodes+Inc.4-7, Thickness (mm)="0.39 ±0.01", Width (mm)="1.00 ±0.05"